# KiCad board Womo.kicad_pcb (continued)
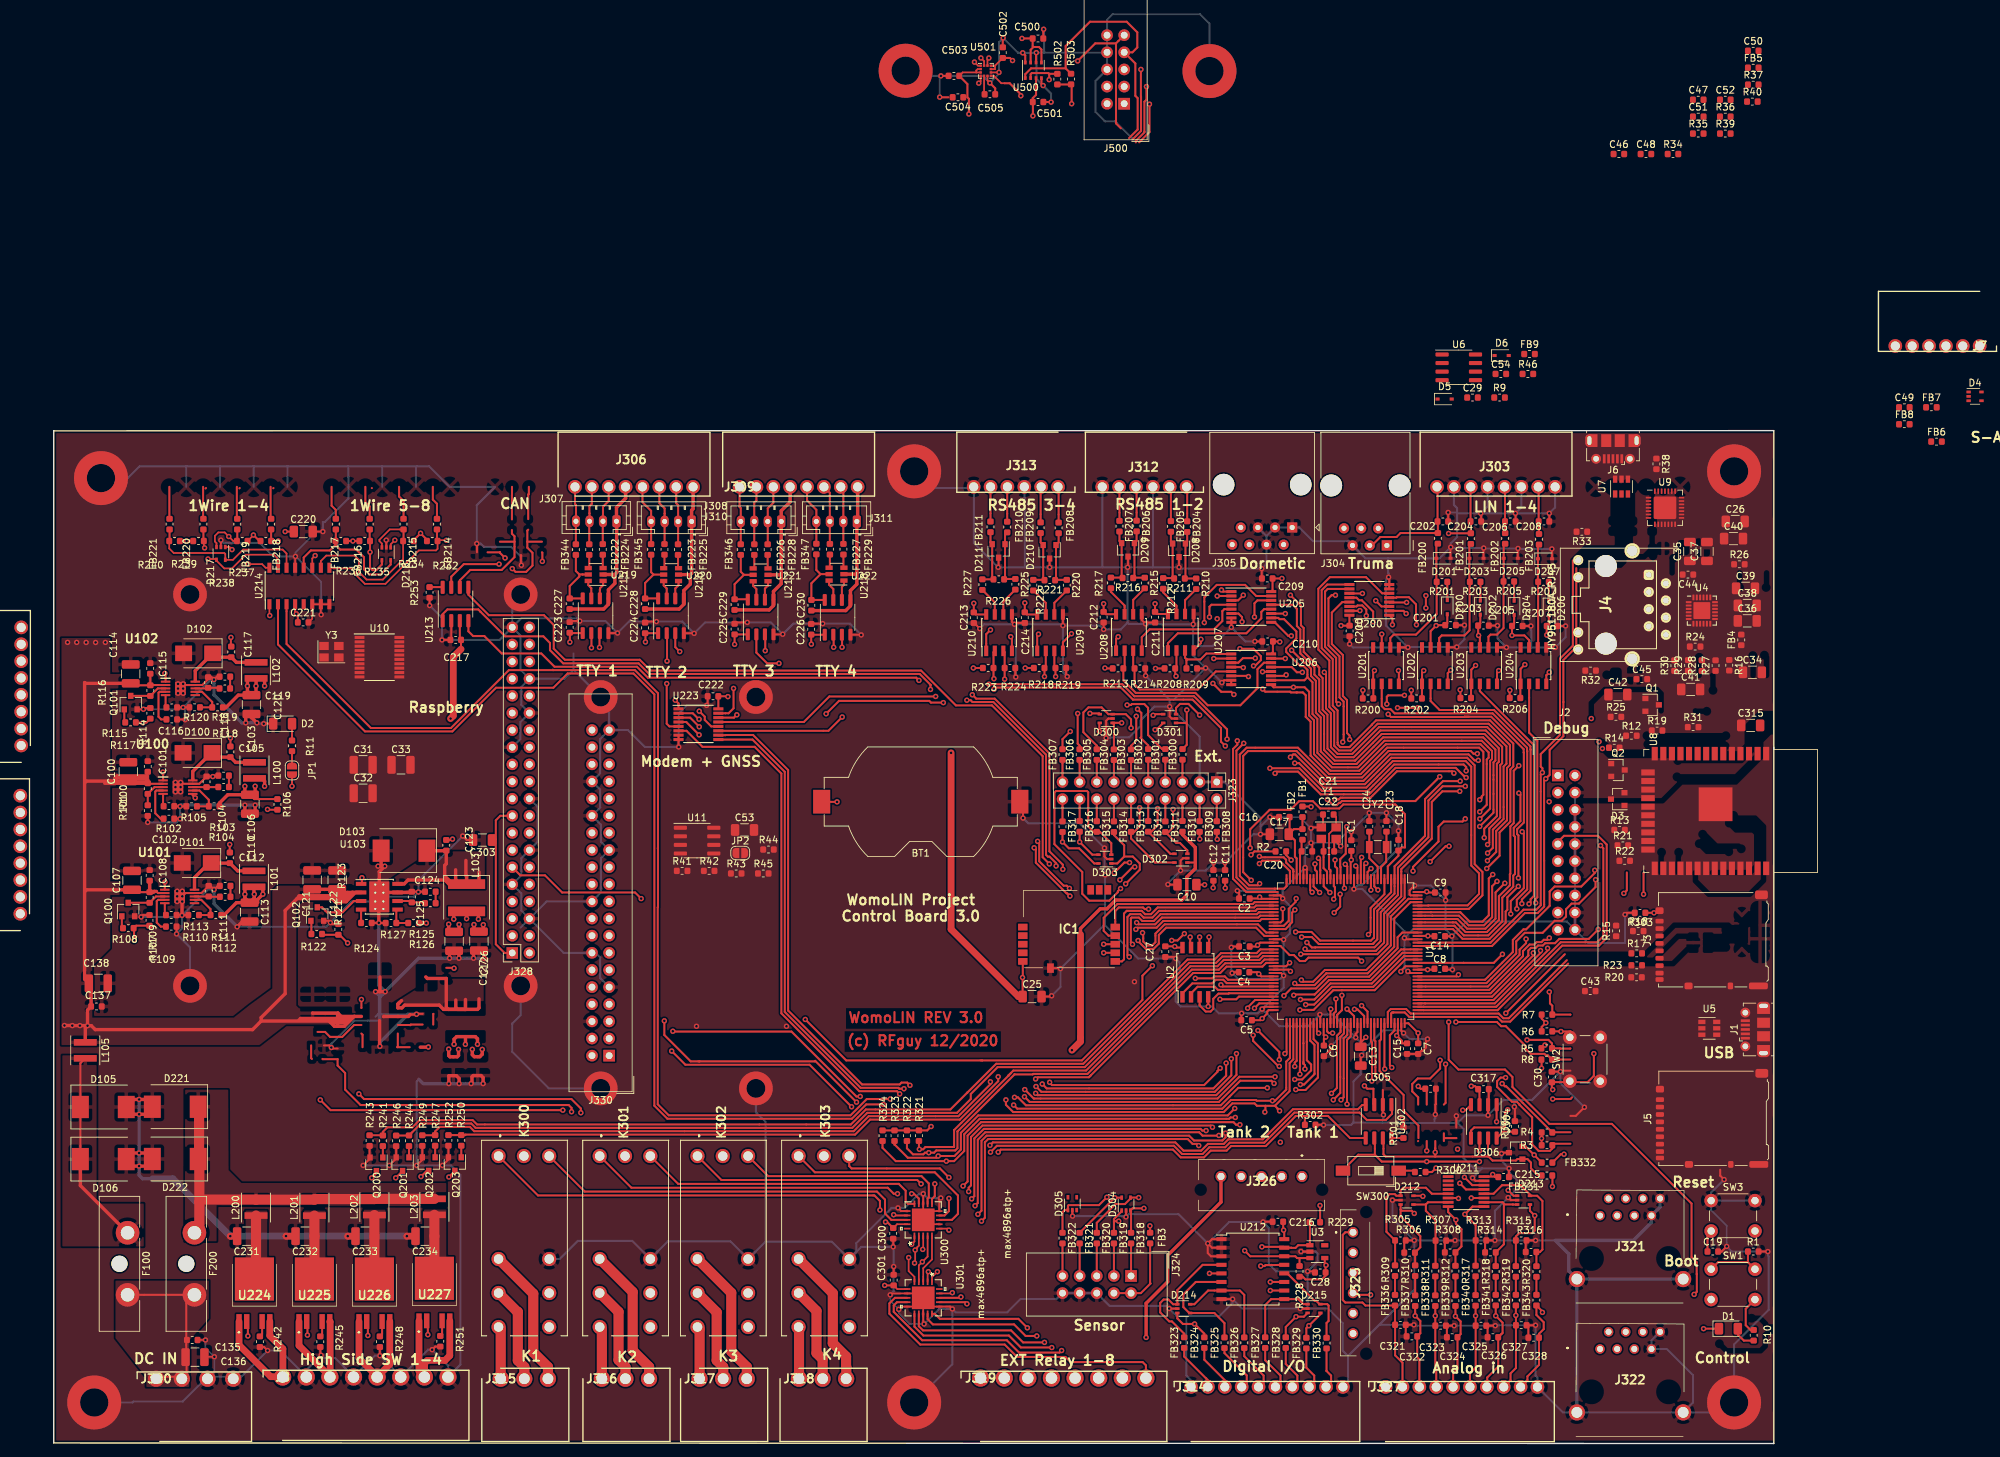
[diagram p0: board, top side]
## Routing (per net, layer and track width the routed paths; a pad name or vN(x,y) marks a point on that pad's centre or on a via; arc(x,y) is an arc through that point) (continued)
1Wire_P0: length 4.7
  Top w0.3: 17.13,141.78 17.13,137.08 FB221.1
1Wire_P1: length 4.8
  Top w0.3: 22.5,141.54 22.56,141.6 ; FB220.1 22.13,137.09 22.13,141.78
1Wire_P2: length 4.8
  Top w0.3: FB219.1 27.13,137.11 27.13,141.78 ; 27.51,141.56 27.56,141.6
1Wire_P3: length 4.8
  Top w0.3: FB218.1 32.13,137.13 32.13,141.78 ; 32.53,141.57 32.56,141.6
1Wire_P4: length 5
  Top w0.3: FB217.1 41.8,138.36 41.17,138.99 41.17,141.78
1Wire_P5: length 5
  Top w0.3: 47.13,141.6 47.14,141.6 ; FB216.1 46.82,138.88 46.17,139.53 46.17,141.78
1Wire_P6: length 5
  Top w0.3: 51.17,141.78 51.17,140.35 51.83,139.69 FB215.1
1Wire_P7: length 5
  Top w0.3: FB214.1 56.79,139.28 56.17,139.89 56.17,141.78
868_SDN: length 50.4
  Top w0.3: IC1.11 157.3,78.92 157.82,79.45 161.42,79.45 161.67,79.2 v3(162.24,79.2) ; 194.68,62.28 194.68,64.02 v3(193.8,64.9)
  In1.Cu w0.3: v3(162.24,79.2) 162.61,78.82 173.02,78.82 174.41,77.44 184.38,77.44 187.06,74.76 187.06,72.14 189.36,69.85 189.42,69.85 191.86,67.4 ; v3(193.8,64.9) 193.8,65.46 191.86,67.4 ; 191.86,67.4 191.58,67.68
+BATT: length 855.6
  Top w0.3: U102.2 14.36,112.41 R116.1 ; v3(221.24,119.82) 221.24,121.16 221.55,121.48 D206.2 ; R116.1 11.7,112.37 C114.1 ; R116.1 14.3,112.38 C115.1 ; U204.7 218.63,119.06 217.93,119.76 v3(216.09,119.76) C205.2 216.41,121.48 216.41,122.81 ; U100.2 14.01,97.78 R100.1 13.62,98.17 C100.1 ; U201.7 v3(196.79,119.95) ; C101.1 13.84,98.93 13.84,98.55 ; U202.7 204.03,120.4 v3(204.85,121.22) 204.92,121.28 C201.2 206.5,121.59 D200.2 ; C107.1 11.95,81.71 R109.1 ; U203.7 211.33,119.57 v3(211.14,119.76) 211.07,119.82 C203.2 211.39,121.54 D202.2 ; 15.21,81.83 15.46,81.58 U101.2
  Top w0.5: 43.56,81.41 43.69,81.53 43.56,81.66 ; 43.56,81.41 43.69,81.15 ; 43.56,81.41 42.1,81.41 42,81.51 C122.1 ; 43.69,81.15 43.31,80.77 41.91,80.77 41.53,81.15 36.45,81.15 36.07,80.77 ; 43.69,81.15 44.21,81.67 44.33,81.67 ; 43.69,81.15 42.16,81.15 42.16,81.97 C122.1 ; 43.69,81.15 36.32,81.15 ; v3(5,61.93) 5,64.24 C137.1 5.54,67.86 C138.1 4.58,68.82 4.58,81.78 ; v3(5,61.93) 4.99,61.94 v3(3.87,61.94) v3(2.76,61.94) 2.74,61.95 v3(1.59,61.95) ; v3(5,61.93) 5.57,61.93 6.15,61.34 29.47,61.34 30.74,62.61 ; v3(5,61.93) 4.67,61.59 L105.1 ; 8.26,98.17 4.84,98.17 4.58,97.91 ; 8.26,98.17 C100.1 ; 8.26,98.17 8.89,98.17 9.08,98.36 ; 9.65,98.68 9.4,98.68 9.08,98.36 ; C114.1 4.69,112.66 4.58,112.77 4.58,97.91 ; C122.1 42.46,81.67 43.56,81.66 ; C122.1 C121.1 ; 42.06,61.84 43.07,61.84 44.53,63.3 ; 42.06,61.84 41.59,61.84 40.94,62.48 41.4,62.48 41.53,62.36 43.05,62.36 43.69,62.99 ; 42.06,61.84 42.06,63.74 42.1,63.78 ; 4.58,81.78 4.85,82.06 C107.1 ; 4.58,81.78 4.58,97.91 ; 44.33,81.67 43.56,81.66 ; 44.33,81.67 44.7,81.67 ; 36.07,80.77 34.29,78.99 34.29,66.67 30.74,63.12 30.74,62.61 ; 36.07,80.77 41.22,80.77 41.69,80.3 R123.1 43.33,80.3 44.7,81.67 ; 9.08,98.36 9.08,98.62 9.4,98.93 13.84,98.93 13.84,98.81 13.59,98.55 12.45,98.55 ; 38.35,63.78 38.36,63.78 42.1,63.78 ; U103.2 44.7,81.67 ; 45.59,63.3 44.53,63.3 ; 44.53,63.3 42.58,63.3 42.1,63.78 ; C108.1 R109.1 14.76,81.71 14.87,81.83 15.21,81.83 ; 43.69,62.99 36.58,62.99 36.32,62.74 ; 43.69,62.99 43.69,62.86 43.44,62.61 30.74,62.61 ; 7.56,97.85 R100.1 13.93,98.29 13.84,98.38 13.84,98.55 ; J326.5 172.96,35.78 165.06,27.88 165.06,23.96 161.88,20.78 v3(161.88,15.72)
  Top w1: 10.69,82.06 C107.1
  In2.Cu w0.3: 8,12.57 16.13,4.44 116.97,4.44 124.59,12.06 128.14,12.06 135.13,5.08 194.95,5.08 ; J325.5 196.6,15.24 196.6,10.54 196.57,10.54 194.95,8.92 194.95,5.08 ; v3(221.24,119.82) 216.15,119.82 v3(216.09,119.76) v3(211.14,119.76) 206.31,119.76 v3(204.85,121.22) 203.58,119.95 v3(196.79,119.95) 196.79,120.52 197.23,120.96 197.23,124.68 186.56,135.35 186.56,137.54 185.55,138.56 171.78,138.56 170.18,140.15 170.18,148.46 169.01,149.63 102.01,149.63 101.85,149.48 21.46,149.48 2.79,130.81 2.79,119.34 v3(3.4,118.73) ; 194.95,5.08 196.06,5.08 196.7,5.71 221.62,5.71
  In2.Cu w0.5: 3.68,27.31 2.76,28.23 v3(2.76,61.94) ; v3(161.88,15.72) 161.88,12.89 164.73,10.03 164.73,5.08
  In2.Cu w1.5: 3.68,27.31 3.68,15.62 6.73,12.57 8,12.57
  vias: v3(2.05,118.73) v3(4.8,118.72) v3(6.2,118.72) v3(7.65,118.73)
AIN0: length 21.4
  Top w0.3: U211.5 204.22,37.02 203.33,37.91 199.96,37.91 199.58,37.53 D212.1 198.96,36.72 198.72,36.96 197.93,36.96 197.49,36.51 197.49,31.38 R305.1 198.77,26.42 R309.2
AIN1: length 24.8
  Top w0.3: v3(208.15,36.32) 208.09,36.39 U211.6 ; 199.58,34.67 199.58,33.66 202.5,30.73 202.5,29.08 R306.1 201.74,28.25 R310.2 ; 199.58,34.67 199.75,34.5 201.21,34.5 v3(201.61,34.1) ; 199.58,34.67 D212.3
  In1.Cu w0.3: v3(201.61,34.1) 201.61,37.4 201.74,37.53 203.65,37.53 204.85,36.32 v3(208.15,36.32)
AIN2: length 15
  Top w0.3: R311.2 204.76,26.38 R307.1 204.76,33.05 203.33,34.48 203.33,35.43 203.31,35.42 ; U211.7 203.65,35.75 203.31,35.42 ; 203.31,35.42 D212.4
AIN3: length 17.7
  Top w0.3: R312.2 R308.1 208.6,29.21 208.6,31.76 207.77,32.58 v3(207.77,33.15) 206.63,34.29 U211.8 ; D212.5 202.81,36.72 v3(202.88,36.64)
  In1.Cu w0.3: v3(202.88,36.64) 206.38,33.15 v3(207.77,33.15)
AIN4: length 22.8
  Top w0.3: U211.9 210.25,35.12 v3(209.11,33.97) 210.71,32.37 R313.1 210.71,26.36 R317.2 ; v3(215.52,37.53) 216.33,36.72 D213.1
  In1.Cu w0.3: v3(215.52,37.53) 209.87,37.53 209.11,36.77 v3(209.11,33.97)
AIN5: length 14.8
  Top w0.3: D213.3 216.23,35.42 216.21,35.43 214.88,35.43 ; 214.88,35.43 214.88,29.53 R314.1 R318.2 ; 214.88,35.43 214.88,35.56 214.69,35.75 U211.10
AIN6: length 25.2
  Top w0.3: D213.4 218.75,34.49 v3(219.46,33.78) 219.46,31.56 219.08,31.18 217.17,31.18 216.66,30.67 R319.2 ; v3(210.06,36.39) U211.11
  In1.Cu w0.3: v3(219.46,33.78) 210.69,33.78 210.06,34.42 v3(210.06,36.39)
AIN7: length 20.6
  Top w0.3: R320.2 219.71,28.37 R316.1 220.24,28.38 220.6,28.75 220.6,35.94 219.82,36.72 D213.5 218.75,36.9 217.37,38.28 214.62,38.28 213.36,37.02 U211.12
BLE_Active: length 76.9
  Top w0.3: v3(199.13,109.04) v3(202.11,109.04) ; v3(186.48,81.7) 186.18,82 186.18,83.68
  In1.Cu w0.3: v3(186.48,81.7) 186.88,81.3 186.88,81.09 188.54,79.43 191.03,79.43 191.87,80.27 198.11,80.27 201.29,83.45 201.85,83.45 202.81,84.41 202.81,90.5 197.74,95.58 197.74,98.17 197.72,98.19 197.72,106.17 199.13,107.57 v3(199.13,109.04) ; 226.6,110.38 203.45,110.38 v3(202.11,109.04)
BLE_INT: length 78.6
  Top w0.3: 186.68,83.68 186.68,82.56 v3(187.58,81.66) ; v3(200.15,110.88) 197.75,110.88 197.54,110.67 v3(197.54,109.59)
  In1.Cu w0.3: v3(187.58,81.66) 187.58,81.1 188.75,79.93 190.68,79.93 191.51,80.77 197.91,80.77 201.22,84.09 201.78,84.09 202.31,84.61 202.31,90.3 197.24,95.37 197.24,96.13 197.22,96.15 197.22,106.42 198.49,107.68 198.49,108.64 v3(197.54,109.59) ; v3(200.15,110.88) 226.81,110.88
BLE_RST: length 78
  Top w0.3: 180.73,73.73 181.79,73.73 183.13,72.39 183.77,72.39 184.66,71.5 185.42,71.5 185.93,72.01 193.3,72.01 v3(193.8,71.5) ; v3(203.96,86.23) 206.25,88.52 v3(206.76,88.52)
  In1.Cu w0.3: v3(206.76,88.52) 206.76,96.01 204.47,98.3 204.47,99.44 209.68,104.65 225.17,104.65 227.84,107.31 v3(227.84,107.44) ; v3(203.96,86.23) 203.96,83.95 201.55,81.53 200.53,81.53 198.76,79.76 195.96,79.76 194.06,77.85 194.06,72.32 193.8,72.07 v3(193.8,71.5)
Boot0: length 107.6
  Top w0.3: 251.05,26.88 246.64,26.88 SW1.1 ; 251.05,26.88 R1.1 ; 251.05,26.88 SW1.1 ; 202.13,78.73 204.08,78.73 204.08,78.73 208.43,78.73 209.82,77.34 211.71,77.34 212.65,78.28 212.65,83.74 v3(213.23,84.33)
  In1.Cu w0.3: 243.71,83.2 243.71,27.72 SW1.1 ; v3(213.23,84.33) 216.44,84.33 217.2,85.09 227.36,85.09 228.13,85.85 235.36,85.85
CAN1_RX: length 193
  Top w0.3: 202.13,79.23 203.87,79.23 203.87,79.23 209.69,79.23 211.71,81.25 211.71,84.71 210.55,85.86 210.55,100.52 209.45,101.63 198.21,101.63 194.29,97.71 188.37,97.71 183.96,102.12 183.66,102.12 v3(183.26,101.73) ; v3(173.86,104.39) 173.86,105.85 168.96,110.75 160.13,110.75 158.35,112.53 v3(138.57,112.53) ; v3(128.21,113.1) 127.81,113.5 88.05,113.5 86.43,115.12 74.21,115.12 72.25,117.09 66.39,117.09 63.81,119.67 62.14,119.67 61.44,120.37 61.44,121.45
  In1.Cu w0.3: v3(173.86,104.39) 176.53,101.73 v3(183.26,101.73) ; v3(128.21,113.1) 128.78,112.53 v3(138.57,112.53)
CAN1_TX: length 199.3
  Top w0.3: 202.13,79.73 203.67,79.73 203.69,79.76 209.51,79.76 211.21,81.46 211.21,84.5 210.05,85.66 210.05,100.32 209.24,101.13 198.42,101.13 194.5,97.21 188.16,97.21 184.54,100.84 v3(183.9,100.84) ; v3(173.61,103.38) 172.97,104.02 172.97,106.04 168.75,110.25 159.92,110.25 158.14,112.03 139.58,112.03 v3(139.33,111.78) ; U213.1 57.63,122.92 58.34,123.62 62.9,123.62 63.25,123.28 63.25,123.27 66.89,119.63 72.55,119.63 73.53,118.64 73.53,117.58 75.49,115.62 86.67,115.62 88.23,114.05 128.32,114.05 129.95,112.42 129.92,112.39 v3(129.92,111.76) ; 57.63,122.52 57.63,121.45
  In1.Cu w0.3: v3(129.92,111.76) 129.95,111.78 v3(139.33,111.78) ; v3(183.9,100.84) 176.15,100.84 v3(173.61,103.38)
CAN-H: length 4.8
  Top w0.3: 70.31,137.01 70.31,140.64 70.32,140.64 70.41,140.72 70.41,141.78
CAN-L: length 4.8
  Top w0.3: 67.91,141.78 67.91,140.56 67.9,140.55 67.9,136.96
CAN_BUS_H: length 33.6
  Top w0.3: 232.66,16.51 232.92,16.26 ; FB331.1 222.09,39.69 v3(222.09,38.09)
  In1.Cu w0.3: J322.4 232.94,36.31 J321.4 230.85,38.4 222.4,38.4 v3(222.09,38.09)
CAN_H: length 59.2
  Top w0.3: 58.9,126.85 58.9,128.47 60.76,130.33 v3(65.99,130.33) ; 204.71,42.53 204.71,43.74 204.73,43.76 204.73,44.83 ; 204.71,42.53 197.37,42.53 197.04,42.86 197.04,44.77 ; 204.71,42.53 212.46,42.53 212.54,42.61 ; v3(67.95,129.67) 68.43,129.18 70,129.18 70.94,130.12 70.94,132 70.18,132.77 70.18,133.65 ; 72.34,133.65 70.18,133.65 ; 70.18,133.65 70.18,135.3 70.31,135.43 ; 212.54,42.61 213.21,41.94 216.67,41.94 216.88,42.15 D306.1 218.38,42.15 218.9,41.64 218.9,40.78 219.89,39.79 219.97,39.79 220.05,39.71 FB331.2 ; 212.54,42.61 212.54,44.77 ; v3(204.83,40.83) 204.23,40.23 R300.1
  In1.Cu w0.3: v3(204.71,43.17) 204.83,43.05 v3(204.83,40.83) ; v3(67.95,129.67) 66.65,129.67 v3(65.99,130.33)
CAN_L: length 60.5
  Top w0.25: SW300.2 191.81,40.44
  Top w0.3: 191.81,40.44 191.81,41.3 193.31,42.8 195.77,42.8 ; 195.77,42.8 195.77,44.77 ; 195.77,42.8 196.79,41.78 v3(203.45,41.78) v3(211.27,41.78) ; 203.45,44.83 v3(203.45,43.37) ; 66.12,133.65 68.28,133.65 ; 68.28,133.65 68.28,131.37 66.37,129.46 61.71,129.46 60.17,127.92 60.17,126.85 ; 68.28,133.65 68.28,134.46 67.9,134.84 67.9,135.38 ; D306.2 218.09,44.05 v3(219.38,42.76) 220.5,41.64 FB332.2 ; v3(211.27,43.37) 211.27,44.77
  In1.Cu w0.3: v3(203.45,41.78) v3(203.45,43.37) ; 211.27,42.68 v3(211.27,41.78) ; 211.27,42.68 v3(211.27,43.37) 212.04,44.15 218,44.15 v3(219.38,42.76) ; 211.27,42.68 211.27,43.24
CTRL_BUS_L: length 38.8
  Top w0.3: v3(223.8,42.88) 223.32,42.88 222.07,41.63
  In1.Cu w0.3: v3(223.8,42.88) 229.54,42.88 234.22,38.2 234.22,33.77 234.21,33.77 234.21,14.01
DC_Input: length 27.2
  Top w0.25: C136.1 19.53,13.1 19.64,13.21 ; C135.1 19.69,15.34 19.64,15.29
  Top w0.3: F100.2 F200.2 19.63,20.82 19.64,15.29 19.63,14.61 19.64,13.21 19.63,12.75 19.69,12.7 19.69,10.61 18.97,9.9 15.16,9.9
DE_RS485_1: length 9.8
  Top w0.3: 167.96,116.2 167.9,116.2 167.64,116.46 U207.3 ; 167.96,116.2 167.84,116.09 R209.1 ; 167.96,116.2 169.93,116.2 170.8,117.08 172.26,117.08 172.32,117.02 U206.1
DE_RS485_2: length 20.8
  Top w0.3: U206.5 172.21,114.42 169.54,111.75 160.92,111.75 160.16,112.51 R214.1 159.96,115.07 U208.3
DE_RS485_3: length 33.2
  Top w0.3: U209.3 148.27,115.1 R219.1 148.44,113.69 v3(148.46,113.66) ; v3(171.9,116.33) 174.45,116.33 U206.2
  In1.Cu w0.3: v3(148.46,113.66) 149.23,112.9 170.91,112.9 171.99,113.98 171.99,116.24 v3(171.9,116.33)
DE_RS485_4: length 43.7
  Top w0.3: v3(140.91,113.28) R224.1 140.91,117.28 U210.3 ; U206.4 176.21,115.07 v3(176.28,115)
  In1.Cu w0.3: v3(140.91,113.28) 142.62,111.57 148.27,111.57 148.41,111.7 171.93,111.7 172.26,112.03 173.46,112.03 175.88,114.44 175.88,114.6 v3(176.28,115)
ESP_Boot: length 37.4
  Top w0.3: 202.13,77.23 207.78,77.23 209.21,75.8 212.37,75.8 214.15,77.59 214.15,81.11 215.78,82.73 215.78,84.37 215.85,84.44 215.85,91.45 216.35,91.95 216.35,99.71 v3(217.1,100.46)
ESP_CAN_RX: length 62
  Top w0.3: 209.87,50.29 210,50.17 209.23,49.4 v3(208.79,49.4)
  In1.Cu w0.3: 238.9,80.4 238.7,80.2 238.7,52.45 234.63,48.39 214.57,48.39 213.23,49.72 209.11,49.72 v3(208.79,49.4)
ESP_CAN_SB: length 63.1
  Top w0.3: U304.5 210.01,46.37 210.48,46.84 214.85,46.84 215.06,47.05 215.06,49.07 v3(215.46,49.47) ; R303.1 v3(237.14,78.65)
  In1.Cu w0.3: 238,78.65 v3(237.14,78.65) ; 238,78.65 238,52.77 234.32,49.09 216.82,49.09 216.8,49.07 215.86,49.07 v3(215.46,49.47) ; 238,78.65 238,80.45
ESP_CAN_TX: length 57.7
  Top w0.3: v3(213.81,47.69) 213.81,50.17
  In1.Cu w0.3: 239.4,79.95 239.4,52.13 234.95,47.69 v3(213.81,47.69)
ESP_Enable: length 73.5
  Top w0.3: 180.73,76.23 182.53,76.23 183.13,76.83 183.13,76.89 183.51,77.26 183.51,78.69 v3(183.92,79.1) ; v3(210.95,102.23) 210.38,102.23 209.99,102.63 197.8,102.63 193.88,98.71 188.79,98.71 184.37,103.12 176.77,103.12 175.75,102.11 175.75,84.11 177.13,82.73 178.44,82.73 v3(178.69,82.98)
  In1.Cu w0.3: v3(183.92,79.1) 183.11,79.91 183.11,80.88 181.01,82.98 v3(178.69,82.98)
ESP_Reset: length 73
  Top w0.3: v3(184.11,80.77) 184.02,80.69 184.02,80.26 183.01,79.25 183.01,77.47 182.27,76.73 180.73,76.73 ; v3(177.45,83.48) 176.25,84.68 176.25,101.9 176.98,102.62 184.17,102.62 188.58,98.21 194.08,98.21 198,102.13 209.65,102.13 210.54,101.25 v3(211.09,101.25)
  In1.Cu w0.3: v3(184.11,80.77) 184.11,81.03 181.66,83.48 179.3,83.48 179.05,83.73 177.7,83.73 v3(177.45,83.48) ; 211.58,101.73 v3(211.09,101.25)
G1: length 26.3
  Top w0.5: 83.15,128.79 U219.2 ; 83.15,128.79 83.15,127.47 82.2,126.52 82.2,124.38 81.49,123.67 C227.1 ; 83.15,128.79 83.41,129.06 83.41,135.78 83.39,135.8 J307.1 83.39,138.73 84.74,140.08 J306.4
G2: length 25.8
  Top w0.5: 94.34,128.78 94.52,128.96 J308.1 94.52,138.31 94.74,138.53 J306.8 ; 94.34,128.78 U220.2 ; 94.34,128.78 94.34,127.38 93.37,126.42 U216.5 93.37,124.37 92.67,123.67 C228.1
G3: length 26.7
  Top w0.3: 108.35,141.58 108.32,141.6
  Top w0.5: 107.8,128.83 107.71,128.74 U221.2 ; 107.8,128.83 107.8,135.77 107.8,135.78 J310.1 107.8,138.23 109.13,139.55 J309.4 ; 107.8,128.83 107.8,127.43 106.66,126.29 U217.5 106.66,124.19 106.01,123.55 C229.1
G4: length 26.1
  Top w0.5: 119.01,128.99 J311.1 119.13,136.77 J309.8 ; 119.01,128.99 119.01,127.36 118.06,126.42 U218.5 118.06,124.14 117.36,123.44 C230.1 ; 119.01,128.99 118.86,128.84 U222.2
HSS_1: length 20.9
  Top w1: U224.5 32.02,15.98 33.96,14.03 33.96,9.9 32.15,9.9 27.46,14.6 U224.1
HSS_1_EN: length 146.4
  Top w0.3: 127.87,49.51 132.87,49.51 135.37,52.01 135.38,52.01 139.66,56.28 152.56,56.28 168.02,71.73 172.03,71.73 172.97,72.68 178.25,72.68 178.81,73.23 180.73,73.23 ; 127.87,49.51 120.35,49.51 118.12,47.28 62.72,47.28 62.07,47.93 54.21,47.93 53.14,46.86 49.44,46.86 48.77,46.19 R241.2 48.74,45.68 R243.1 ; 127.87,49.51 128.02,49.51
HSS_2: length 18.3
  Top w1: U225.1 36.35,14.51 40.96,9.9 40.96,18.02 U225.5
HSS_2_EN: length 142.2
  Top w0.3: 180.73,72.73 179.01,72.73 178.46,72.18 173.18,72.18 172.23,71.23 168.22,71.23 152.77,55.78 139.86,55.78 135.89,51.81 135.89,51.05 133.85,49.01 120.55,49.01 118.33,46.78 62.51,46.78 61.87,47.43 54.41,47.43 R244.2 52.63,45.64 R246.1
HSS_3: length 18.2
  Top w1: U226.1 45.24,12.62 47.96,9.9 49.8,11.74 U226.5
HSS_3_EN: length 172.7
  Top w0.3: v3(138.8,53.61) 138.8,53.25 134.05,48.51 120.76,48.51 118.54,46.28 62.3,46.28 61.66,46.93 57.2,46.93 56.52,46.25 R247.2 56.49,45.68 R249.1 ; 202.13,80.23 201.06,80.23 198.64,77.81 198.64,73.61 194.71,69.68 188.58,69.68 186.83,67.94 184.15,67.94 v3(183.9,68.19) ; v3(145.5,51.9) 145.78,51.63 172.26,51.63 175.26,54.63 v3(175.26,57.78)
  In1.Cu w0.3: v3(138.8,53.61) 143.8,53.61 v3(145.5,51.9) ; v3(175.26,57.78) 175.26,64.1 176.69,65.53 180.34,65.53 181.93,67.12 182.83,67.12 v3(183.9,68.19)
HSS_4: length 20
  Top w1: U227.1 54.13,10.73 54.96,9.9 54.96,11.9 55.37,12.32 57.98,12.32 58.69,13.03 U227.5
HSS_4_EN: length 168.9
  Top w0.3: v3(145.55,52.91) 146.34,52.13 172.05,52.13 174.5,54.57 v3(174.5,57.02) ; R252.1 R250.2 60.96,45.71 61.04,45.78 118.75,45.78 120.97,48.01 134.26,48.01 139.95,53.7 v3(139.95,54.36) ; 202.13,80.73 200.75,80.73 198.14,78.12 198.14,73.82 194.5,70.18 188.37,70.18 186.62,68.44 185.13,68.44 v3(184.88,68.69)
  In1.Cu w0.3: v3(139.95,54.36) 140.2,54.11 144.36,54.11 v3(145.55,52.91) ; v3(184.88,68.69) 184.73,68.83 184.4,68.83 184.3,68.94 183.56,68.94 182.25,67.62 181.67,67.62 180.08,66.03 176.48,66.03 174.76,64.31 174.76,58.94 174.5,58.67 v3(174.5,57.02)
I2C1_SCL: length 166.8
  Top w0.3: 202.13,74.23 212.92,74.23 217.81,79.12 219.69,79.12 220.35,79.78 220.35,99.19 v3(220.6,99.44) 220.6,100.08 220.35,100.33 220.35,102.18 223.2,105.04 223.2,116.33 225.11,118.24 225.11,130.87 ; v3(209.3,99.69) 209.3,100.26 208.93,100.63 198.62,100.63 194.7,96.71 187.96,96.71 184.59,100.08 v3(180.21,100.08) ; 149.48,90.63 v3(149.48,89.15) 150.42,88.21 151.94,88.21 154.18,85.97 D303.5
  In1.Cu w0.3: v3(220.6,99.44) 209.56,99.44 v3(209.3,99.69) ; v3(180.21,100.08) 176.2,100.08 175.82,100.46 152.15,100.46 150.68,98.99 150.68,90.35 v3(149.48,89.15)
I2C1_SDA: length 161.5
  Top w0.3: 202.13,73.73 213.12,73.73 218.01,78.62 219.9,78.62 220.85,79.58 220.85,86.36 220.85,86.37 220.85,98.27 v3(221.1,98.52) 221.67,99.1 221.67,102.8 223.7,104.83 223.7,116.12 225.62,118.04 225.62,129.73 ; FB316.2 v3(152.02,89.15) 153.91,87.27 D303.4 ; v3(209.3,98.7) 209.05,98.94 208.94,98.94 207.76,100.13 198.83,100.13 194.91,96.21 187.75,96.21 184.39,99.58 181.23,99.58 v3(180.98,99.33)
  In1.Cu w0.3: v3(152.02,89.15) 152.02,90.55 153.36,91.89 153.36,99.51 153.81,99.96 175.62,99.96 176.25,99.33 v3(180.98,99.33) ; v3(221.1,98.52) 220.37,98.52 219.96,98.94 209.54,98.94 v3(209.3,98.7)
I2C2_SCL: length 332.6
  Top w0.3: v3(122.94,50.26) 120.39,50.26 118.27,48.13 90.93,48.13 89,50.07 89,111.03 85.91,114.12 76.15,114.12 74.04,112.01 65.54,112.01 59.07,105.54 46.12,105.54 33.23,118.43 U214.2 ; 184.61,27.48 184.25,27.49 183.99,27.75 U212.14 177.31,27.75 v3(176.48,28.57) ; 184.61,27.48 R228.2 ; 184.61,27.48 186.14,27.49 ; v3(208.36,38.57) 209.27,37.66 U211.13 ; v3(142.24,50.16) 142.78,49.63 173.16,49.63 174.44,50.91 178.15,50.91 178.25,50.8 v3(180.6,50.8) 180.98,50.8 182.63,52.46 182.63,56.6 183.18,57.15 183.18,62.28
  In1.Cu w0.3: 180.51,47.96 v3(180.6,50.8) ; 180.51,47.96 180.6,44.73 181.61,43.71 182.16,43.71 182.44,43.99 198.07,43.99 203.49,38.57 v3(208.36,38.57) ; 180.51,47.96 179.21,47.96 173.98,42.72 167.39,42.72 166.51,41.85 166.51,28.66 167.78,27.39 175.3,27.39 v3(176.48,28.57) ; v3(142.24,50.16) 138.56,50.16 138.47,50.26 ; 138.47,50.26 v3(122.94,50.26) ; 138.47,50.26 138.69,50.26
I2C2_SDA: length 336.2
  Top w0.3: v3(209.04,39.46) 210.21,38.29 U211.14 ; 89.54,88.26 89.54,79.5 89.5,79.47 89.5,50.27 91.13,48.64 118.07,48.64 120.48,51.05 v3(123.95,51.05) ; 89.54,88.26 89.5,88.23 ; 89.54,88.26 89.54,111.2 86.11,114.62 74,114.62 ; 179.55,50.05 178.3,50.05 177.94,50.41 174.65,50.41 173.37,49.13 142.17,49.13 141.1,50.2 v3(141.1,50.93) ; 179.55,50.05 179.55,49.21 v3(179.46,49.12) ; 179.55,50.05 180.96,50.05 ; 74,114.62 67.44,114.62 58.87,106.04 46.99,106.04 38.1,114.94 ; 74,114.62 73.94,114.69 ; 38.1,114.94 34.5,118.5 U214.3 ; 38.1,114.94 38.31,114.69 ; v3(181.65,49.3) 181.36,49.59 181.36,49.65 180.96,50.05 ; 180.96,50.05 183.13,52.23 183.13,56.39 183.68,56.94 183.68,62.28 ; R229.2 186.14,32.73 186.14,29.39 184.4,29.39 184.01,28.99 183.41,28.99 183.39,29.02 U212.15 182.21,29.15 v3(179.03,29.15)
  In1.Cu w0.3: v3(209.04,39.46) 209.04,40.02 204.41,44.65 v3(181.76,44.65) 181.76,49.19 v3(181.65,49.3) ; v3(123.95,51.05) 140.97,51.05 v3(141.1,50.93) ; v3(179.46,49.12) 173.65,43.31 167.18,43.31 166.01,42.14 166.01,28.46 167.65,26.82 176.71,26.82 v3(179.03,29.15)
I2C3_SCL: length 264.4
  Top w0.25: U501.1 136.97,204.2 v3(136.44,204.74)
  Top w0.3: U500.4 143.96,202.94 144.83,203.81 149.95,203.81 ; v3(189.86,95.46) 190.42,95.46 190.67,95.71 195.12,95.71 199.04,99.63 207.2,99.63 v3(207.48,99.35) ; v3(145.79,89.25) 146.03,89.01 146.03,86.29 149.65,82.67 150.11,82.67 v3(150.51,82.27) ; 159.35,193.47 160.62,194.74 160.62,199.39 160.27,199.74 160.27,204.53 J500.7 159.85,206.18 160.57,206.91 160.57,209.14 158.99,210.72 153.56,210.72 149.95,207.11 149.95,203.81 ; FB321.1 v3(157.22,36.43) D304.5 ; 187.68,83.68 187.68,84.94 187.66,84.96 187.66,86.49 v3(187.41,86.74) ; 149.95,203.81 R503.2
  In1.Cu w0.3: v3(207.48,99.35) 207.48,99.91 210.56,102.99 229.48,102.99 v3(229.49,103) ; J500.7 157.41,207.4 157.41,210.23 156.21,211.44 136.97,211.44 135.77,210.23 135.77,206.98 135.78,206.97 135.78,205.39 v3(136.44,204.74) ; v3(145.79,89.25) 146.64,88.4 152.41,88.4 152.77,88.76 152.77,90.59 153.86,91.68 153.86,92.39 154.94,93.47 162.31,93.47 163.82,91.96 171.99,91.96 175.23,95.2 180.38,95.2 182.87,97.69 189.5,97.69 190.11,97.08 190.11,96.39 189.86,96.14 v3(189.86,95.46) 189.46,95.06 189.43,95.06 189.22,94.85 189.22,89.77 187.41,87.96 v3(187.41,86.74) ; v3(150.51,82.27) 154.68,78.1 154.68,72.51 155.89,71.31 160.11,71.31 162.86,68.56 168.74,62.67 168.74,49 166.73,46.99 166.73,46.52 157.22,37.01 v3(157.22,36.43)
I2C3_SDA: length 258.8
  Top w0.25: v3(137.07,201.61) 137.35,201.89 U501.4
  Top w0.3: J500.9 157.41,207.51 ; v3(150.59,81.13) 150.19,81.53 150.08,81.53 145.53,86.08 145.53,88.04 v3(145.28,88.29) ; 158.14,194.92 157.41,195.65 157.41,207.51 ; FB322.1 149.48,34.29 149.79,34.59 D305.1 150.29,35.22 150.39,35.33 154.88,35.33 v3(156.06,36.5) ; 157.41,207.51 154.34,207.51 v3(151.73,204.9) ; v3(188.72,95.46) 189.57,94.61 190.12,94.61 190.47,94.96 190.63,94.96 190.88,95.21 201.77,95.21 v3(205.38,98.83) ; v3(147.51,202.13) 147.51,202.97 147.49,203 ; 147.49,203 147.37,203.11 144.93,203.11 144.76,202.94 U500.3 ; 147.49,203 148.72,203 ; 187.18,83.68 187.18,84.76 186.89,85.05 v3(186.89,85.89)
  In1.Cu w0.3: v3(137.07,201.61) 135.28,203.4 135.28,206.62 135.27,206.63 135.27,210.44 136.77,211.94 156.41,211.94 158.54,209.82 158.54,208.81 J500.9 ; v3(145.28,88.29) 145.68,87.89 145.88,87.89 145.89,87.9 152.62,87.9 153.27,88.55 153.27,90.39 154.36,91.48 154.36,92.18 155.15,92.97 162.1,92.97 163.61,91.46 172.2,91.46 175.44,94.7 180.59,94.7 183.07,97.19 188.63,97.19 189.12,96.69 189.12,95.86 v3(188.72,95.46) 188.72,89.98 186.49,87.74 186.49,86.29 v3(186.89,85.89) ; v3(156.06,36.5) 157.11,37.66 166.23,46.77 166.23,47.19 168.24,49.21 168.24,62.47 162.65,68.06 159.9,70.81 155.68,70.81 154.18,72.31 154.18,77.89 150.75,81.33 150.75,81.3 v3(150.59,81.13) ; v3(228.98,104.01) 210.57,104.01 v3(205.38,98.83) ; v3(151.73,204.9) 148.96,202.13 v3(147.51,202.13)
INT_1_XL: length 177.1
  Top w0.25: v3(137.39,205.35) 137.86,204.87 U501.12
  Top w0.3: v3(184.91,75.06) 186.43,75.06 187.45,74.03 195.5,74.03 195.58,74.11 195.58,74.17 196.14,74.72 196.14,78.95 198.68,81.5 198.68,85.54 203.2,90.06 203.2,95.5 205.87,98.17 v3(208.41,98.17) ; v3(161.1,203.64) 161.1,199.62 161.12,199.6 161.12,194.54 159.85,193.26 ; FB320.1 154.56,32.71 157.34,35.49 158.73,35.49 159.55,36.31 D304.4 159.57,36.45 v3(160.78,36.45)
  In1.Cu w0.3: v3(161.1,203.64) J500.5 157.4,204.86 155.61,204.86 154.42,206.05 154.42,210.48 153.96,210.94 137.18,210.94 136.27,210.02 136.27,207.19 136.28,207.17 136.28,206.45 v3(137.39,205.35) ; 215.9,101.23 215.11,100.45 208.78,100.45 208.41,100.08 v3(208.41,98.17) ; v3(184.91,75.06) 183.68,75.06 182.8,75.94 173.55,75.94 172.17,77.32 166.81,77.32 165.8,76.3 164.72,76.3 163.65,75.24 163.65,68.47 169.24,62.88 169.24,48.79 167.23,46.78 167.23,46.31 160.78,39.86 v3(160.78,36.45)
INt_2_XL: length 172.2
  Top w0.25: v3(138.57,205.33) 138.36,205.13 U501.11
  Top w0.3: 160.85,192.85 162.37,194.37 v3(162.37,198.5) ; v3(208.34,96.66) 205.77,96.66 204.2,95.09 204.2,89.65 199.68,85.13 199.68,84.76 199.68,83.68 199.68,81.08 197.14,78.54 197.14,74.24 195.92,73.02 185.69,73.02 v3(185.43,73.29) ; FB318.1 159.64,34.45 D304.3 159.87,34.85 v3(161.55,34.85)
  In1.Cu w0.3: v3(162.37,198.5) 158.69,198.5 J500.1 158.62,197.4 156.87,195.65 142.85,195.65 141.38,197.12 141.38,203.44 139.89,204.93 138.97,204.93 v3(138.57,205.33) ; v3(185.43,73.29) 185.03,73.69 181.82,73.69 180.77,72.64 173.18,72.64 172.59,73.23 172.59,75.49 171.75,76.32 167.23,76.32 166.21,75.3 165.14,75.3 164.65,74.82 164.65,68.88 170.62,62.92 170.62,56.66 170.24,56.28 170.24,48.38 168.23,46.37 168.23,45.85 162.07,39.69 162.07,35.37 v3(161.55,34.85) ; v3(208.34,96.66) 215.38,96.66 216.92,95.12 v3(221.6,95.12)
INT_MAG_DRDY: length 155.7
  Top w0.25: 140.89,201.6 140.41,201.6 139.31,202.7 U501.7
  Top w0.3: 160.35,192.84 160.35,193.06 161.61,194.32 161.61,194.41 161.62,194.43 161.62,198.86 161.93,199.17 v3(161.93,201.1) ; 140.89,201.6 141.66,201.6 143.31,199.95 v3(143.31,199.75) ; 157.1,32.84 157.1,33.26 158.25,34.41 D304.1 ; 157.1,32.84 FB319.1 ; 157.1,32.84 157.21,32.95 v3(157.81,32.95) ; v3(209.17,97.41) 205.81,97.41 203.7,95.3 203.7,89.85 199.18,85.34 199.18,81.29 196.64,78.74 196.64,74.46 195.71,73.53 186.94,73.53 186.93,73.52 186.43,73.52 v3(185.7,74.25)
  In1.Cu w0.3: v3(143.31,199.75) 155.36,199.75 155.5,199.89 157.41,199.89 J500.3 v3(161.93,201.1) ; v3(157.81,32.95) 158.21,32.55 158.97,32.55 159.64,33.22 159.64,34.06 161.57,35.98 161.57,39.91 167.73,46.07 167.73,46.57 169.74,48.59 169.74,63.09 164.15,68.68 164.15,75.03 164.93,75.8 166,75.8 167.02,76.82 171.96,76.82 173.34,75.44 182.59,75.44 183.78,74.25 v3(185.7,74.25) ; v3(209.17,97.41) 210.42,97.41 210.69,97.68